# Altium PCB MD070B.PcbDoc (part 1 of 2) (continued)
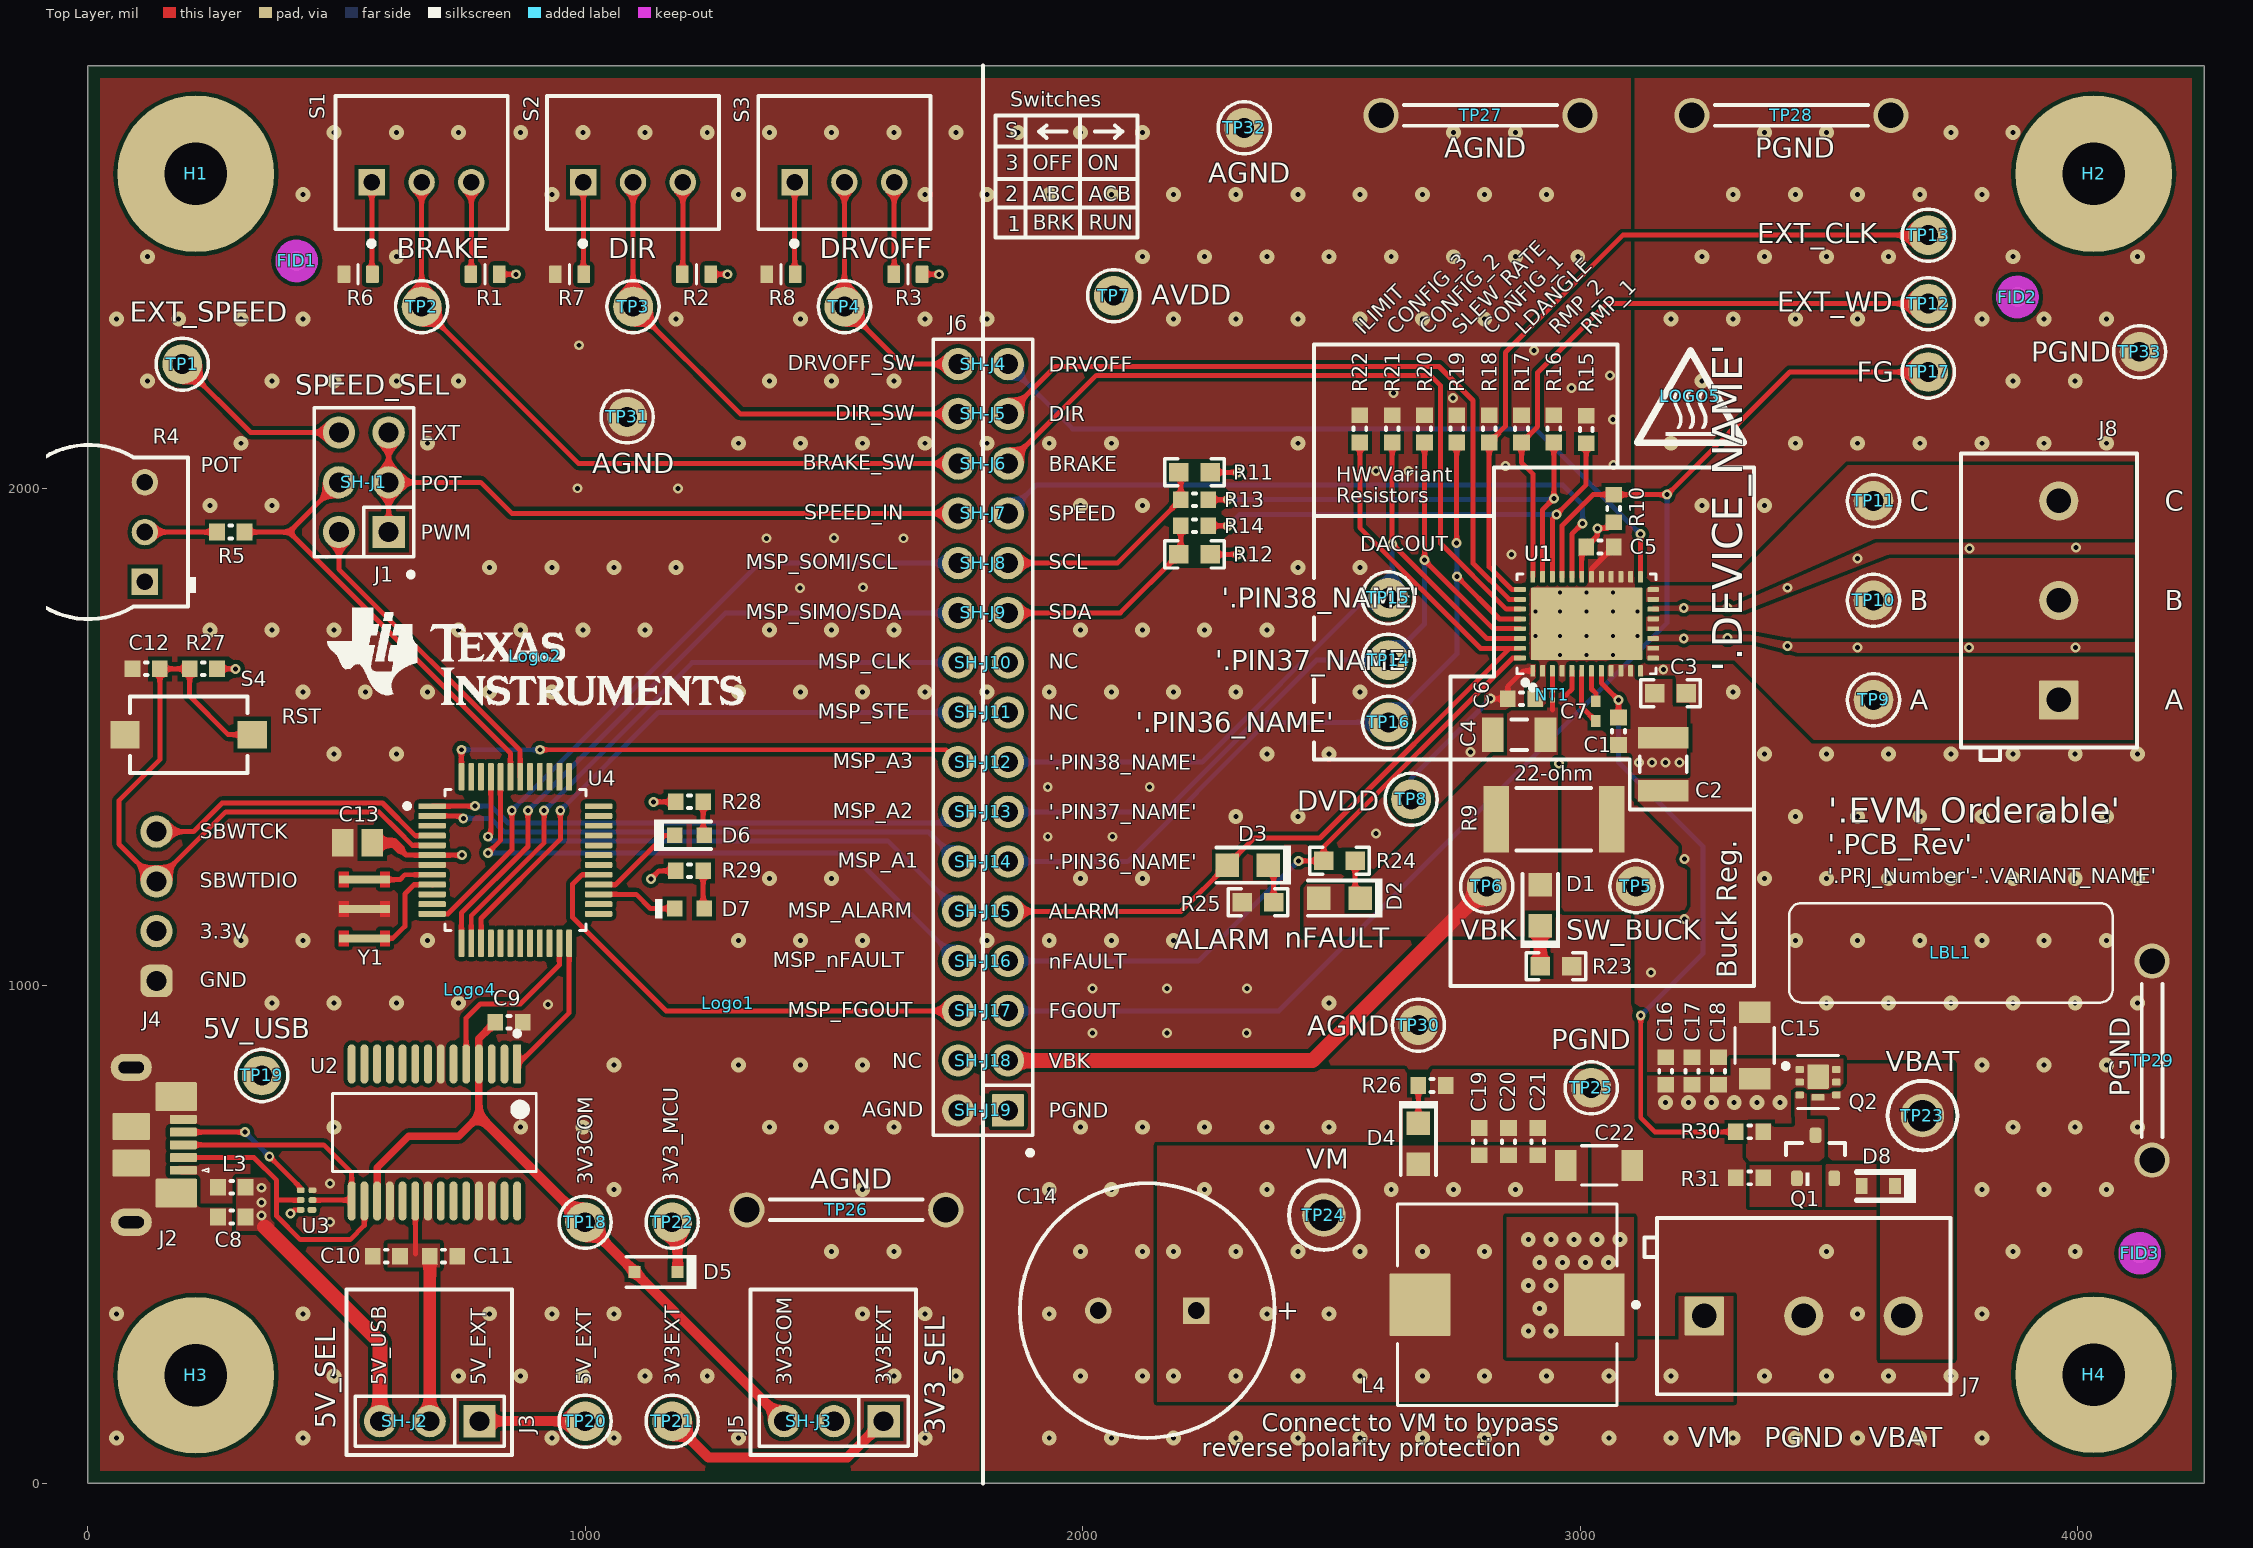
[diagram p0: Top Layer view]
## Footprints (in the part's own frame and the unit in brackets; to place one, negate y for a bottom-side part, rotate by r counter-clockwise, add the part's x,y. Pads: shape width x height; smd on the part's side, far side on the other; paste and mask are expansions set on the pad) (continued)
  rrect40% 0.25x0.6 smd paste+0 mask+0: 13(-1.75,-3.4) 14(-1.25,-3.4) 15(-0.75,-3.4) 16(-0.25,-3.4) 17(0.25,-3.4) 18(0.75,-3.4) 19(1.25,-3.4) 20(1.75,-3.4) 33(1.75,3.4) 34(1.25,3.4) 35(0.75,3.4) 36(0.25,3.4) 37(-0.25,3.4) 38(-0.75,3.4) 39(-1.25,3.4) 40(-1.75,3.4)
  rrect3% 3.7x5.7 smd paste-1000 mask+0: 41(0,0)
  silkscreen extent -3.37,-3.55 2.55,3.55, body extent -2.8,-3.8 2.8,3.8, height 0.25
SNT-100-BK-G [mil] "Samtec STEP model"
  round 1 on Mech3: 0(0,0)
  body extent -100,-50 100,50, height 344
SOD-323 [mm] "NXP recommended land pattern"
  rect 0.6x0.6 smd paste-0.05: 1(-1.1,0) 2(1.1,0)
  silkscreen extent -2.06,-0.86 1.53,0.86, body extent -1.3,-0.67 1.3,0.68, height 1.1
SOD-523F [mm] "COMCHIP"
  rect 0.6x0.8 smd paste-0.05: 1(-0.85,0) 2(0.85,0)
  silkscreen extent -1.92,-0.87 1.1,0.87, body extent -0.9,-0.5 0.9,0.5, height 0.85
SOT-23L [mm] "SOT23, 3-Leads, Body 2.9x1.3mm, Pitch 0.95mm, Lead Span 2.5mm, IPC High Density"
  rrect50% 0.8x0.6 smd: 1(-1.1,0.95) 2(-1.1,-0.95) 3(1.1,0)
  silkscreen extent -1.5,-1.5 0.7,1.5, body extent -1.16,-1.45 1.21,1.45, height 1
SW_434121025816 [mm] "SMD, 2-Leads, Body 6x3.9mm, Pitch 6.5mm"
  rect 1.5x1.4 smd: 1(-3.25,0) 2(3.25,0)
  silkscreen extent -3,-1.95 3,1.95, body extent -3.65,-1.95 3.65,1.95, height 2.5
SW_B12AP [mm] "NKK Switches"
  rect 1.35x1.35 hole 0.85 paste-2539.97: 1(-1,2.54)
  round 1.35 hole 0.85 paste-2539.97: 2(-1,0) 3(-1,-2.54)
  silkscreen extent -4.27,-4.4 3.4,4.4, body extent -3.4,-4.39 3.4,4.39, height 22.87
TI_Stacked_Overlay_Small [mil]
  silkscreen extent -418,-98 418,98
TSW-103-07-G-D [mm] "Samtec 100mil, 2x3, 230 mil above insulator"
  rect 1.65x1.65 hole 1.016: 1(-2.54,-1.27)
  round 1.65 hole 1.016: 2(-2.54,1.27) 3(0,-1.27) 4(0,1.27) 5(2.54,-1.27) 6(2.54,1.27)
  silkscreen extent -4.83,-2.54 3.81,2.54, body extent -3.81,-2.54 3.81,2.54, height 8.38
TSW-104-07-G-S [mm] "Samtec 100mil, 1x4, 230 mil above insulator"
  rrect50% 1.65x1.65 hole 1.016: 1(-3.81,0)
  round 1.65 hole 1.016: 2(-1.27,0) 3(1.27,0) 4(3.81,0)
  body extent -5.08,-1.27 5.08,1.27, height 8.38
TSW-116-07-G-D [mm] "Samtec 100mil, 2x16, 230 mil above insulator"
  rrect6% 1.65x1.65 hole 1.016: 1(-19.05,-1.27)
  round 1.65 hole 1.016: 2(-19.05,1.27) 3(-16.51,-1.27) 4(-16.51,1.27) 5(-13.97,-1.27) 6(-13.97,1.27) 7(-11.43,-1.27) 8(-11.43,1.27) 9(-8.89,-1.27) 10(-8.89,1.27) 11(-6.35,-1.27) 12(-6.35,1.27) 13(-3.81,-1.27) 14(-3.81,1.27) 15(-1.27,-1.27) 16(-1.27,1.27) 17(1.27,-1.27) 18(1.27,1.27) 19(3.81,-1.27) 20(3.81,1.27) 21(6.35,-1.27) 22(6.35,1.27) 23(8.89,-1.27) 24(8.89,1.27) 25(11.43,-1.27) 26(11.43,1.27) 27(13.97,-1.27) 28(13.97,1.27) 29(16.51,-1.27) 30(16.51,1.27) 31(19.05,-1.27) 32(19.05,1.27)
  silkscreen extent -21.34,-2.54 20.32,2.54, body extent -20.32,-2.54 20.32,2.54, height 8.38
WE-MAIA_3015 [mm] "SMD, 2-Leads, Body 3x3mm"
  rect 1.3x3.4 smd: 1(-1.05,0) 2(1.05,0)
  silkscreen extent -0.1,-1.6 0.1,1.6, body extent -1.6,-1.6 1.6,1.6, height 1.5
WEEE_Minimum [mil] "WEEElie bin"

## Part data
C1: library part CMP-0080104-1, "CAP, CERM, 1 µF, 16 V,+/- 10%, X7R, AEC-Q200 Grade 1, 0603", Cap_Case=0603, Manufacturer="Taiyo Yuden", Supplier Part Number 1=587-3305-1-ND, TempCo=X7R, Tolerance_%=10%, Value2=16V, ValueDisplayed=1µF, AEC Category=Q200, AEC Grade=1, AEC Qualified=Y, Cap_F=1µF, ComponentLink1Description="Datasheet link", ComponentLink1URL=https://www.yuden.co.jp/productdata/catalog/mlcc01_hq_e.pdf, CompType=Capacitor, MountType=SMT, PackageReference=0603, PartNumber=EMK107B7105KAHT, Polarized=N, RoHS=Y, SizeArea_mm2=1.28, SizeAreaWB_mm2=4.68, SizeX_mm=1.6, SizeY_mm=0.8, SizeZ_mm=1, Supplier 1=Digi-Key, Supplier 2=Newark, Supplier 3=Mouser, Supplier Part Number 2=68X1305, Supplier Part Number 3=963-EMK107B7105KAHT, TaMax_C=125°C, TaMin_C=-55°C, Technology=Ceramic, U/M=EA, VDC_V=16V
C2: library part CMP-0009229-2, "CAP, CERM, 10 uF, 63 V, +/- 10%, X7R, 1210", Cap_Case=1210, Manufacturer=MuRata, Supplier Part Number 1=490-9970-1-ND, TempCo=X7R, Tolerance_%=10%, Value1=Unknown, Value2=63V, ValueDisplayed=10uF, AEC Category=Q200, AEC Grade=N/A, AEC Qualified=N, Cap_F=10µF, ComponentLink1Description="Datasheet link", ComponentLink1URL=http://psearch.en.murata.com/capacitor/product/GRM32ER71J106KA12%23.pdf, CompType=Capacitor, LatestRevisionDate=2017-03-09, MountType=SMT, PackageReference=1210, PartNumber=GRM32ER71J106KA12L, Polarized=N, Published=2008-06-19, Publisher="Texas Instruments", RoHS=Y, SizeArea_mm2=8, SizeAreaWB_mm2=14.7, SizeX_mm=3.2, SizeY_mm=2.5, SizeZ_mm=2.7, Supplier 1=Digi-Key, Supplier 2=Mouser, Supplier Part Number 2=81-GRM32ER71J106KA2L, TaMax_C=125°C, TaMin_C=-55°C, Technology=Ceramic, U/M=EA, VDC_V=63V
C3: library part CMP-0007469-4, "CAP, CERM, 0.1 uF, 100 V, +/- 10%, X7R, 0603", Cap_Case=0603, Manufacturer=MuRata, Supplier Part Number 1=490-3285-1-ND, TempCo=X7R, Tolerance_%=10%, Value1=Unknown, Value2=100V, ValueDisplayed=0.1uF, AEC Category=Q200, AEC Qualified=?, Cap_F=100nF, ComponentLink1Description="Datasheet link", ComponentLink1URL=http://search.murata.co.jp/Ceramy/PnsearchViewAction.do?HnOFG=ON&HnNFG=ON&SEL_CNT=50&sLang=en&sKey=GRM188R72A104KA35D&x=9&y=9&search=startwith, CompType=Capacitor, LatestRevisionDate=2017-03-09, MountType=SMT, PackageReference=0603, PartNumber=GRM188R72A104KA35D, Polarized=N, Published=2008-06-19, Publisher="Texas Instruments", RoHS=Y, SizeArea_mm2=1.28, SizeAreaWB_mm2=4.68, SizeX_mm=1.6, SizeY_mm=0.8, SizeZ_mm=1, Supplier 1=Digi-Key, Supplier 2=Mouser, Supplier 3=Farnell, Supplier Part Number 2=81-GRM188R72A104KA35, Supplier Part Number 3=1828921, TaMax_C=125°C, TaMin_C=-55°C, Technology=Ceramic, U/M=EA, VDC_V=100V
C4: library part CMP-0008959-2, "CAP, CERM, 22 uF, 10 V, +/- 10%, X7R, 1206", Cap_Case=1206, Manufacturer=MuRata, Supplier Part Number 1=490-5309-1-ND, TempCo=X7R, Tolerance_%=10%, Value1=Unknown, Value2=10V, ValueDisplayed=22uF, AEC Category=Q200, AEC Qualified=?, Cap_F=22µF, ComponentLink1Description="Datasheet link", ComponentLink1URL=http://search.murata.co.jp/Ceramy/PnsearchViewAction.do?HnOFG=ON&HnNFG=ON&SEL_CNT=50&sLang=en&sKey=GRM31CR71A226KE15L&x=9&y=9&search=startwith, CompType=Capacitor, LatestRevisionDate=2017-03-09, MountType=SMT, PackageReference=1206, PartNumber=GRM31CR71A226KE15L, Polarized=N, Published=2008-06-19, Publisher="Texas Instruments", RoHS=Y, SizeArea_mm2=5.12, SizeAreaWB_mm2=10.92, SizeX_mm=3.2, SizeY_mm=1.6, SizeZ_mm=1.8, Supplier 1=Digi-Key, Supplier 2=Mouser, Supplier 3=Farnell, Supplier Part Number 2=81-GRM31CR71A226K15L, Supplier Part Number 3=1797016, TaMax_C=125°C, TaMin_C=-55°C, Technology=Ceramic, U/M=EA, VDC_V=10V
C5 C6: library part CMP-0086190-1, "CAP, CERM, 1 µF, 6.3 V,+/- 10%, X7R, AEC-Q200 Grade 1, 0603", Cap_Case=0603, Manufacturer=Kemet, TempCo=X7R, Tolerance_%=10%, Value2=6.3V, ValueDisplayed=1µF, AEC Category=Q200, AEC Grade=1, AEC Qualified=Y, Cap_F=1µF, ComponentLink1Description="Datasheet link", ComponentLink1URL=https://content.kemet.com/datasheets/KEM_C1023_X7R_AUTO_SMD.pdf, CompType=Capacitor, MountType=SMT, PackageReference=0603, PartNumber=C0603C105K9RACAUTO, Polarized=N, RoHS=Y, SizeArea_mm2=1.28, SizeAreaWB_mm2=4.68, SizeX_mm=1.6, SizeY_mm=0.8, SizeZ_mm=1, TaMax_C=125°C, TaMin_C=-55°C, Technology=Ceramic, U/M=EA, VDC_V=6.3V
C7: library part CMP-0006298-2, "CAP, CERM, 0.047 uF, 50 V, +/- 10%, X7R, 0402", Cap_Case=0402, Manufacturer=TDK, Supplier Part Number 1=445-7336-1-ND, TempCo=X7R, Tolerance_%=10%, Value1="0.06407 ohm", Value2=50V, ValueDisplayed=0.047uF, AEC Category=Q200, AEC Grade=N/A, AEC Qualified=N, Cap_F=47nF, ComponentLink1Description="Datasheet link", ComponentLink1URL=https://product.tdk.com/en/search/capacitor/ceramic/mlcc/info?part_no=C1005X7R1H473K050BB, CompType=Capacitor, ESR_Ohm=0.06407, IRMS_A=646.122mA, LatestRevisionDate=2017-03-09, MountType=SMT, PackageReference=0402, PartNumber=C1005X7R1H473K050BB, Polarized=N, Published=2008-06-19, Publisher="Texas Instruments", RoHS=Y, SizeArea_mm2=0.5, SizeAreaWB_mm2=3, SizeX_mm=1, SizeY_mm=0.5, SizeZ_mm=0.6, Supplier 1=Digi-Key, Supplier 2=Newark, Supplier 3=Mouser, Supplier Part Number 2=04X3233, Supplier Part Number 3=810-C1005X7R1H473K, TaMax_C=125°C, TaMin_C=-55°C, Technology=Ceramic, U/M=EA, VDC_V=50V
C8 C9 C11: library part CMP-0006815-4, "CAP, CERM, 0.1 uF, 10 V, +/- 10%, X7R, 0603", Cap_Case=0603, Manufacturer=AVX, Supplier Part Number 1=478-7939-1-ND, TempCo=X7R, Tolerance_%=10%, Value1=Unknown, Value2=10V, ValueDisplayed=0.1uF, AEC Category=Q200, AEC Grade=N/A, AEC Qualified=N, Cap_F=100nF, ComponentLink1Description="Datasheet link", ComponentLink1URL=http://datasheets.avx.com/X7RDielectric.pdf, CompType=Capacitor, LatestRevisionDate=2017-03-09, MountType=SMT, PackageReference=0603, PartNumber=0603ZC104KAT2A, Polarized=N, Published=2008-06-19, Publisher="Texas Instruments", RoHS=Y, SizeArea_mm2=1.28, SizeAreaWB_mm2=4.68, SizeX_mm=1.6, SizeY_mm=0.8, SizeZ_mm=1, Supplier 1=Digi-Key, Supplier 2=Newark, Supplier 3=Mouser, Supplier Part Number 2=94W2856, Supplier Part Number 3=581-0603ZC104K, TaMax_C=125°C, TaMin_C=-55°C, Technology=Ceramic, U/M=EA, VDC_V=10V
C10: library part CMP-0007498-4, "CAP, CERM, 4.7 uF, 10 V, +/- 20%, X7R, 0603", Cap_Case=0603, Manufacturer=MuRata, TempCo=X7R, Tolerance_%=20%, Value1=Unknown, Value2=10V, ValueDisplayed=4.7uF, AEC Category=Q200, AEC Grade=N/A, AEC Qualified=N, Cap_F=4.7µF, ComponentLink1Description="Datasheet link", ComponentLink1URL=http://search.murata.co.jp/Ceramy/image/img/A01X/G101/ENG/GRM188Z71A475ME15-01.pdf, CompType=Capacitor, LatestRevisionDate=2017-03-09, MountType=SMT, PackageReference=0603, PartNumber=GRM188Z71A475ME15D, Polarized=N, Published=2008-06-19, Publisher="Texas Instruments", RoHS=Y, SizeArea_mm2=1.28, SizeAreaWB_mm2=4.68, SizeX_mm=1.6, SizeY_mm=0.8, SizeZ_mm=1, Supplier 1=Digi-Key, Supplier 2=Newark, Supplier 3=Mouser, Supplier Part Number 3=81-GRM188Z71A475ME5D, TaMax_C=125°C, TaMin_C=-55°C, Technology=Ceramic, U/M=EA, VDC_V=10V
C12: library part CMP-0006826-4, "CAP, CERM, 1000 pF, 16 V, +/- 10%, X7R, 0603", Cap_Case=0603, Manufacturer="Wurth Elektronik", Supplier Part Number 1=710-885012206034, TempCo=X7R, Tolerance_%=10%, Value1=Unknown, Value2=16V, ValueDisplayed=1000pF, AEC Category=Q200, AEC Grade=N/A, AEC Qualified=N, Cap_F=1nF, ComponentLink1Description="Datasheet link", ComponentLink1URL=http://katalog.we-online.de/pbs/datasheet/885012206034.pdf, CompType=Capacitor, LatestRevisionDate=2017-03-09, MountType=SMT, PackageReference=0603, PartNumber=885012206034, Polarized=N, Published=2008-06-19, Publisher="Texas Instruments", RoHS=Y, SizeArea_mm2=1.28, SizeAreaWB_mm2=4.68, SizeX_mm=1.6, SizeY_mm=0.8, SizeZ_mm=1, Supplier 1=Mouser, TaMax_C=125°C, TaMin_C=-55°C, Technology=Ceramic, U/M=EA, VDC_V=16V
C13: library part CMP-0007696-2, "CAP, CERM, 1 uF, 50 V, +/- 10%, X7R, 0805", Cap_Case=0805, Manufacturer="Wurth Elektronik", Supplier Part Number 1=710-885012207103, TempCo=X7R, Tolerance_%=10%, Value1=Unknown, Value2=50V, ValueDisplayed=1uF, AEC Category=Q200, AEC Grade=N/A, AEC Qualified=N, Cap_F=1µF, ComponentLink1Description="Datasheet link", ComponentLink1URL=http://katalog.we-online.de/pbs/datasheet/885012207103.pdf, CompType=Capacitor, LatestRevisionDate=2017-03-09, MountType=SMT, PackageReference=0805, PartNumber=885012207103, Polarized=N, Published=2008-06-19, Publisher="Texas Instruments", RoHS=Y, SizeArea_mm2=2.5, SizeAreaWB_mm2=6.75, SizeX_mm=2, SizeY_mm=1.25, SizeZ_mm=1.45, Supplier 1=Mouser, TaMax_C=125°C, TaMin_C=-55°C, Technology=Ceramic, U/M=EA, VDC_V=50V
C14: library part CMP-0009912-2, "CAP, AL, 330 uF, 63 V, +/- 20%, AEC-Q200 Grade 2, TH", Cap_Case=12.5x20mm, Manufacturer=Chemi-Con, Supplier Part Number 1=565-2043-ND, Tolerance_%=20%, Value1=Unknown, Value2=63V, ValueDisplayed=330uF, AEC Category=Q200, AEC Grade=2, AEC Qualified=Y, Cap_F=330µF, ComponentLink1Description="Datasheet link", ComponentLink1URL=http://www.chemi-con.co.jp/cgi-bin/CAT_DB/SEARCH/cat_db_al.cgi?e=e&j=p&pdfname=lxz, CompType=Capacitor, IRMS_A=1.29A, LatestRevisionDate=2017-03-09, MountType=TH, PackageReference=D12.5xL20mm, PartNumber=ELXZ630ELL331MK20S, Polarized=Y, Publisher="Texas Instruments", RoHS=Y, Series=LXZ, SizeArea_mm2=156.25, SizeAreaWB_mm2=210.25, SizeX_mm=12.5, SizeY_mm=12.5, SizeZ_mm=21.5, Supplier 1=Digi-Key, Supplier 2=Mouser, Supplier Part Number 2=661-ELXZ630ELL331MK2, TaMax_C=105°C, TaMin_C=-55°C, Technology=AL, U/M=EA, VDC_V=63V
C15 C22: library part CMP-0008801-2, "CAP, CERM, 1 uF, 100 V, +/- 10%, X7R, 1206", Cap_Case=1206, Manufacturer=Samsung, Supplier Part Number 1=1276-1838-1-ND, TempCo=X7R, Tolerance_%=10%, Value1=Unknown, Value2=100V, ValueDisplayed=1uF, AEC Category=Q200, AEC Grade=N/A, AEC Qualified=N, Cap_F=1µF, ComponentLink1Description="Datasheet link", ComponentLink1URL=http://www.samsungsem.com/kr/front/downloadcms.do?path=/kr/support/product-search/mlcc/__icsFiles/afieldfile/2014/11/05&fileName=C_CL31B105KCHNNNE.pdf, CompType=Capacitor, LatestRevisionDate=2017-03-09, MountType=SMT, PackageReference=1206, PartNumber=CL31B105KCHNNNE, Polarized=N, Published=2008-06-19, Publisher="Texas Instruments", RoHS=Y, SizeArea_mm2=5.12, SizeAreaWB_mm2=10.92, SizeX_mm=3.2, SizeY_mm=1.6, SizeZ_mm=1.8, Supplier 1=Digi-Key, TaMax_C=125°C, TaMin_C=-55°C, Technology=Ceramic, U/M=EA, VDC_V=100V
C16 C21: library part CMP-0007099-4, "CAP, CERM, 0.1 uF, 100 V, +/- 10%, X7S, AEC-Q200 Grade 1, 0603", Cap_Case=0603, Manufacturer=TDK, Supplier Part Number 1=445-6938-1-ND, TempCo=X7S, Tolerance_%=10%, Value1="0.04959 ohm", Value2=100V, ValueDisplayed=0.1uF, AEC Category=Q200, AEC Grade=1, AEC Qualified=Y, Cap_F=100nF, ComponentLink1Description="Datasheet link", ComponentLink1URL=https://product.tdk.com/en/search/capacitor/ceramic/mlcc/info?part_no=CGA3E3X7S2A104K080AB, CompType=Capacitor, ESR_Ohm=0.04959, IRMS_A=751.618mA, LatestRevisionDate=2017-03-09, MountType=SMT, PackageReference=0603, PartNumber=CGA3E3X7S2A104K080AB, Polarized=N, Published=2008-06-19, Publisher="Texas Instruments", RoHS=Y, SizeArea_mm2=1.28, SizeAreaWB_mm2=4.68, SizeX_mm=1.6, SizeY_mm=0.8, SizeZ_mm=1, Supplier 1=Digi-Key, Supplier 2=Newark, Supplier 3=Mouser, Supplier Part Number 2=04X3163, Supplier Part Number 3=810-CGA3E3X7S2A104K, TaMax_C=125°C, TaMin_C=-55°C, Technology=Ceramic, U/M=EA, VDC_V=100V
C17 C20: library part CMP-0007082-4, "CAP, CERM, 0.01 uF, 100 V, +/- 10%, X7R, AEC-Q200 Grade 1, 0603", Cap_Case=0603, Manufacturer=TDK, Supplier Part Number 1=445-5812-1-ND, TempCo=X7R, Tolerance_%=10%, Value1="0.235428 ohm", Value2=100V, ValueDisplayed=0.01uF, AEC Category=Q200, AEC Grade=1, AEC Qualified=Y, Cap_F=10nF, ComponentLink1Description="Datasheet link", ComponentLink1URL=https://product.tdk.com/en/search/capacitor/ceramic/mlcc/info?part_no=CGA3E2X7R2A103K080AA, CompType=Capacitor, ESR_Ohm=0.235428, IRMS_A=396.995mA, LatestRevisionDate=2017-03-09, MountType=SMT, PackageReference=0603, PartNumber=CGA3E2X7R2A103K080AA, Polarized=N, Published=2008-06-19, Publisher="Texas Instruments", RoHS=Y, SizeArea_mm2=1.28, SizeAreaWB_mm2=4.68, SizeX_mm=1.6, SizeY_mm=0.8, SizeZ_mm=1, Supplier 1=Digi-Key, Supplier 2=Mouser, Supplier Part Number 2=810-CGA3E2X7R2A103K080AA, TaMax_C=125°C, TaMin_C=-55°C, Technology=Ceramic, U/M=EA, VDC_V=100V
C18 C19: library part CMP-0007081-4, "CAP, CERM, 1000 pF, 100 V, +/- 10%, X7R, AEC-Q200 Grade 1, 0603", Cap_Case=0603, Manufacturer=TDK, Supplier Part Number 1=445-5806-1-ND, TempCo=X7R, Tolerance_%=10%, Value1="1.97137 ohm", Value2=100V, ValueDisplayed=1000pF, AEC Category=Q200, AEC Grade=1, AEC Qualified=Y, Cap_F=1nF, ComponentLink1Description="Datasheet link", ComponentLink1URL=https://product.tdk.com/en/search/capacitor/ceramic/mlcc/info?part_no=CGA3E2X7R2A102K080AA, CompType=Capacitor, ESR_Ohm=1.97137, IRMS_A=305.705mA, LatestRevisionDate=2017-03-09, MountType=SMT, PackageReference=0603, PartNumber=CGA3E2X7R2A102K080AA, Polarized=N, Published=2008-06-19, Publisher="Texas Instruments", RoHS=Y, SizeArea_mm2=1.28, SizeAreaWB_mm2=4.68, SizeX_mm=1.6, SizeY_mm=0.8, SizeZ_mm=1, Supplier 1=Digi-Key, Supplier 2=Mouser, Supplier Part Number 2=810-CGA3E2X7R2A102K080AA, TaMax_C=125°C, TaMin_C=-55°C, Technology=Ceramic, U/M=EA, VDC_V=100V
D1 D4: library part CMP-0002888-2, "LED, Green, SMD", Color=Green, Manufacturer=Lite-On, Value1=W, Value2=2V, ComponentLink1Description="Datasheet link", ComponentLink1URL=http://optoelectronics.liteon.com/upload/download/DS22-2000-073/S_110_LTST-C170KGKT.pdf, CompType=LED, Io_A=20mA, MountType=SMT, PackageReference=LED_0805, PartNumber=LTST-C170KGKT, RoHS=Y, Type=AlInGaP, Vf_V=2V
D2 D3: library part CMP-0002829-3, "LED, Red, SMD", Color=red, Manufacturer=Lite-On, Value1=W, Value2=2V, ComponentLink1Description="Datasheet link", ComponentLink1URL=http://optoelectronics.liteon.com/upload/download/DS-22-99-0150/P_100_LTST-C170KRKT.pdf, CompType=LED, Io_A=20mA, MountType=SMT, PackageReference="Red 0805 LED", PartNumber=LTST-C170KRKT, RoHS=Y, SizeArea_mm2=2.5, SizeAreaWB_mm2=6.75, SizeX_mm=2, SizeY_mm=1.25, SizeZ_mm=1.2, Type=AlInGaP, Vf_V=2V
D5: library part CMP-0028882-2, "Diode, Schottky, 40 V, 0.75 A, AEC-Q101, SOD-323", Manufacturer="Infineon Technologies", Value1=0.75A, Value2=0.74V, AEC Category=Q101, AEC Qualified=Y, ComponentLink1Description="Datasheet link", ComponentLink1URL=http://www.infineon.com/dgdl/bat165series.pdf?folderId=db3a304313d846880113def5812204a1&fileId=db3a304313d846880113df01f69804d6, CompType=Diode, Green_EU RoHS=Incomplete, Green_EU RoHS-2=Incomplete, Green_Lifecycle="Not Set", Green_REACh=Incomplete, Io_A=750mA, MountType=SMT, PackageReference=SOD-323, PartNumber=BAT165E6327HTSA1, RoHS=Y, SizeArea_mm2=3.645, SizeAreaWB_mm2=8.695, SizeX_mm=2.7, SizeY_mm=1.35, SizeZ_mm=1, Tjmax_C=150°C, Type=Schottky, Vf_V=740mV, Vr_V=40V
D6: library part CMP-0078131-2, "LED, Red, SMD", Color=Red, Manufacturer=Lite-On, Power_TotalModule=62.5mW, Value1=.0625W, Value2=2V, Angle=130, ComponentLink1Description="Datasheet link", ComponentLink1URL=http://optoelectronics.liteon.com/upload/download/DS-22-99-0151/LTST-C190KRKT.pdf, CompType=LED, Green_EU RoHS=Incomplete, Green_EU RoHS-2=Incomplete, Green_Lifecycle="Not Set", Green_REACh=Incomplete, Io_A=20mA, Ir_A=10µA, MountType=SMT, PackageReference="Red LED, 1.6x0.8x0.8mm", PartNumber=LTST-C190KRKT, RoHS=Y, Type=AlInGaP, Vf_V=2V, Vr_V=5V
D7: library part CMP-0002840-2, "LED, Green, SMD", Color=green, Manufacturer=Lite-On, Value1=W, Value2=2V, ComponentLink1Description="Datasheet link", ComponentLink1URL=http://optoelectronics.liteon.com/en-us/api/DwonloadFileHandler.ashx?txtSpecNo=DS22-2000-074&txtPartNo=LTST-C190KGKT, CompType=LED, Io_A=30mA, MountType=SMT, PackageReference=1.6x0.8x0.8mm, PartNumber=LTST-C190KGKT, RoHS=Y, Tjmax_C=85°C, Type=AlInGaP, Vf_V=2V
D8: library part CMP-0076943-3, "Diode, Switching, 90 V, 0.1 A, SOD-523F", Manufacturer="Comchip Technology", Value1=0.1A, Value2=1V, AEC Category=Q101, AEC Qualified=?, ComponentLink1Description="Datasheet link", ComponentLink1URL=http://www.comchiptech.com/cms/UserFiles/CDSU101A-RevA371622.pdf, CompType=Diode, Green_EU RoHS=Incomplete, Green_EU RoHS-2=Incomplete, Green_Lifecycle="Not Set", Green_REACh=Incomplete, Io_A=100mA, MFG_Status=TI_Obsolete, MountType=SMT, PackageReference=SOD-523F, PartNumber=CDSU101A, RoHS=Y, SizeArea_mm2=1.53, SizeAreaWB_mm2=5.13, SizeX_mm=1.7, SizeY_mm=0.9, SizeZ_mm=0.85, Tjmax_C=125°C, Type=Switching, Vf_V=1V, Vr_V=90V
FID1 FID2 FID3: library part CMP-0077181-1, "Fiducial mark.  There is nothing to buy or mount.", Manufacturer=N/A, ClassName=FiducialMark, CompType=Fiducial, MountType=N/A, PackageReference=N/A, PartNumber=N/A
H1 H2 H3 H4: library part CMP-0003617-1, "Machine Screw, Round, #4-40 x 1/4, Nylon, Philips panhead", Manufacturer="B&F Fastener Supply", Supplier Part Number 1=H542-ND, ClassName="Mounting Holes", ComponentLink1Description="Datasheet Link", ComponentLink1URL=http://www.fasnetdirect.com/refguide/Nylpanms.pdf, CompType=Hardware, Key="NY PMS 440 0025 PH", LatestRevisionDate=2017-03-09, MountType=N/A, PackageReference=Screw, PartNumber="NY PMS 440 0025 PH", Publisher="Texas Instruments", RoHS=Y, Supplier 1=Digi-Key
H5 H6 H7 H8: library part CMP-0003610-1, "Standoff, Hex, 0.5\"L #4-40 Nylon", Manufacturer=Keystone, PartNumber=1902C, Supplier Part Number 1=36-1902C-ND, ComponentLink1Description="Datasheet Link", ComponentLink1URL=http://www.keyelco.com/pdfs/M55-prod31.pdf, CompType=Hardware, Key=1902C, LatestRevisionDate=2017-03-09, MountType=N/A, PackageReference=Standoff, Publisher="Texas Instruments", RoHS=Y, Supplier 1=Digi-Key
J1: library part CMP-0075406-2, "Header, 100mil, 3x2, Gold, TH", Color=Black, Current_A=6.3A, Manufacturer=Samtec, PartNumber=TSW-103-07-G-D, Supplier Part Number 1=SAM1028-03-ND, Voltage_V=550V, Cert_CSA=Y, Cert_CULUS=N, Cert_UL=Y, Cert_VDE=N, ClassName=Header, ComponentLink1Description="Datasheet URL", ComponentLink1URL=http://samtec.com/ftppub/pdf/TSW_TH.PDF, CompType=Header, ContactFinish=Gold, Gender=Male, Green_EU RoHS=Passed, Green_EU RoHS-2=Passed, Green_Lifecycle=Active, Green_REACh=Passed, MountType=TH, Orientation=Vertical, PackageReference="3x2 Header", PinCount=6, Pitch_mm=2.54, RoHS=Y, Row_Count=2, RowSpacing_mm=2.54, Shrouded=N, Supplier 1=Digi-Key
J2: library part CMP-0055311-1, "Receptacle, USB 2.0, Micro B, 5 Position, R/A, SMT", Color=Black, Current_A=1.8A, Manufacturer=Molex, Supplier Part Number 1=WM11263CT-ND, Voltage_V=30V, Cert_UL=Y, CNHeader=FALSE, ComponentLink1Description="Datasheet URL", ComponentLink1URL=http://www.molex.com/pdm_docs/sd/1051640001_sd.pdf, CompType=USB, ContactFinish=Gold, CT=TRUE, Gender=Female, LatestRevisionDate=26/05/2017, MountType=SMT, Orientation=R/A, PackageReference="Receptacle, USB 2.0, Micro B, 5 Pos, 0.65mm Pitch, R/A, SMT", PartNumber=1051640001, PinCount=5, Pitch_mm=0.65, Publisher="Texas Instruments", RoHS=Y, Supplier 1=Digi-Key, Supplier 2=Newark, Supplier 3=Mouser, Supplier Part Number 2=99Y3224, Supplier Part Number 3=538-105164-0001
J3 J5: library part CMP-0002334-1, "Header, 100mil, 3x1, Gold, TH", Manufacturer="Sullins Connector Solutions", PartNumber=PBC03SAAN, Supplier Part Number 1=S1011E-03-ND, ClassName=Header, CNHeader=TRUE, ComponentLink1Description="Datasheet URL", ComponentLink1URL=http://www.sullinscorp.com/catalogs/77_Page78-79_HEADER_.100_2.54mm_MALE_BREAKAWAY.pdf, CompType=Header, CT=FALSE, Green_EU RoHS=Incomplete, Green_EU RoHS-2=Incomplete, Green_Lifecycle="Not Set", Green_REACh=Incomplete, LatestRevisionDate=26/05/2017, MountType=TH, PackageReference=PBC03SAAN, Publisher="Texas Instruments", RoHS=Y, Supplier 1=Digi-Key
J4: library part CMP-0075409-2, "Header, 100mil, 4x1, Gold, TH", Color=Black, Current_A=6.3A, Manufacturer=Samtec, Supplier Part Number 1=SAM1029-04-ND, Voltage_V=550V, Cert_CSA=Y, Cert_CULUS=N, Cert_UL=Y, Cert_VDE=N, ClassName=Header, ComponentLink1Description="Datasheet URL", ComponentLink1URL=http://samtec.com/ftppub/pdf/TSW_TH.PDF, CompType=Header, ContactFinish=Gold, Gender=Male, Green_EU RoHS=Passed, Green_EU RoHS-2=Passed, Green_Lifecycle=Active, Green_REACh=Passed, MountType=TH, Orientation=Vertical, PackageReference="4x1 Header", PartNumber=TSW-104-07-G-S, PinCount=4, Pitch_mm=2.54, RoHS=Y, Row_Count=1, Shrouded=N, Supplier 1=Digi-Key
J6: library part CMP-0075429-1, "Header, 100mil, 16x2, Gold, TH", Color=Black, Current_A=6.3A, Manufacturer=Samtec, Supplier Part Number 1=SAM1028-16-ND, Voltage_V=550V, Cert_CSA=Y, Cert_CULUS=N, Cert_UL=Y, Cert_VDE=N, ClassName=Header, CNHeader=True, ComponentLink1Description="Datasheet URL", ComponentLink1URL=http://samtec.com/ftppub/pdf/TSW_TH.PDF, CompType=Header, ContactFinish=Gold, CT=False, Gender=Male, Green_EU RoHS=Passed, Green_EU RoHS-2=Passed, Green_Lifecycle=Active, Green_REACh=Passed, LatestRevisionDate=2017-07-12, MountType=TH, Orientation=Vertical, PackageReference="16x2 Header", PartNumber=TSW-116-07-G-D, PinCount=32, Pitch_mm=2.54, Publisher="Texas Instruments", RoHS=Y, Row_Count=2, RowSpacing_mm=2.54, Shrouded=N, Supplier 1=Digi-Key
J7 J8: library part CMP-0074911-1, "Terminal Block, 5.08 mm, 3x1, Brass, TH", Color=Blue, Current_A=15A, Manufacturer="On-Shore Technology", PartNumber=ED120/3DS, Supplier Part Number 1=ED1610-ND, Voltage_V=300V, Cert_CULUS=Y, Cert_VDE=Y, CNHeader=False, ComponentLink1Description="Datasheet URL", ComponentLink1URL=http://www.on-shore.com/sites/default/files/manuals/ed120ds.pdf, CompType="Terminal Block", ContactFinish=Brass, CT=True, Gender=Female, Green_EU RoHS=Incomplete, Green_EU RoHS-2=Incomplete, Green_Lifecycle="Not Set", Green_REACh=Incomplete, LatestRevisionDate=2017-07-12, MountType=TH, Orientation=Vertical, PackageReference="3x1 5.08 mm Terminal Block", PinCount=3, Pitch_mm=5.08, Publisher="Texas Instruments", RoHS=Y, Row_Count=1, Shrouded=N, Supplier 1=Digi-Key
L1: library part CMP-0064683-2, "Inductor, Shielded, Powdered Iron, 47 uH, 0.39 A, 2.3 ohm, AEC-Q200 Grade 1, SMD", Manufacturer="Wurth Elektronik", Supplier Part Number 1=732-6947-1-ND, Value1="2.3 ohm", Value2=0.39A, ValueDisplayed=47uH, AEC Category=Q200, AEC Grade=1, AEC Qualified=Y, ComponentLink1Description="Datasheet link", ComponentLink1URL=http://katalog.we-online.de/pbs/datasheet/78438335470.pdf, CompType=Inductor, DCR_ohm=2.3, Imax_A=390mA, Ind_H=47µH, Irms="0.39A @ 40C rise", Isat="1.18A @ 20% inductance drop", LatestRevisionDate=2017-06-02, Material="Powdered Iron", MountType=SMT, PackageReference="SMD, 2-Leads, Body 3x3mm", PartNumber=78438335470, Published=2008-06-26, Publisher="Texas Instruments", RoHS=Y, SizeArea_mm2=9, SizeAreaWB_mm2=16, SizeX_mm=3, SizeY_mm=3, SizeZ_mm=1.5, Supplier 1=Digi-Key, Technology=Shielded
L2: library part CMP-0064681-2, "Inductor, Shielded, Powdered Iron, 22 uH, 0.6 A, 1.04 ohm, AEC-Q200 Grade 1, SMD", Manufacturer="Wurth Elektronik", Supplier Part Number 1=732-6945-1-ND, Value1="1.04 ohm", Value2=0.6A, ValueDisplayed=22uH, AEC Category=Q200, AEC Grade=1, AEC Qualified=Y, ComponentLink1Description="Datasheet link", ComponentLink1URL=http://katalog.we-online.de/pbs/datasheet/78438335220.pdf, CompType=Inductor, DCR_ohm=1.04, Imax_A=600mA, Ind_H=22µH, Irms="0.6A @ 40C rise", Isat="1.6A @ 20% inductance drop", LatestRevisionDate=2017-06-02, Material="Powdered Iron", MountType=SMT, PackageReference="SMD, 2-Leads, Body 3x3mm", PartNumber=78438335220, Published=2008-06-26, Publisher="Texas Instruments", RoHS=Y, SizeArea_mm2=9, SizeAreaWB_mm2=16, SizeX_mm=3, SizeY_mm=3, SizeZ_mm=1.5, Supplier 1=Digi-Key, Technology=Shielded
L3: library part CMP-0084877-1, "Inductor, Ferrite Bead, Ferrite, 3 A, 120 ohm, AEC-Q200 Grade 1, SMD", Manufacturer=MuRata, Value1="120 ohm", Value2=3A, AEC Category=Q200, AEC Grade=1, AEC Qualified=Y, ComponentLink1Description="Datasheet link", ComponentLink1URL=https://www.murata.com/en-us/products/productdata/8796750610462/QNFA9122.pdf, CompType=Inductor, DCR_ohm="120 ohm", Imax_A=3A, Material=Ferrite, MountType=SMT, PackageReference=0603, PartNumber=BLM18SG121TZ1D, RoHS=Y, SizeArea_mm2=1.28, SizeAreaWB_mm2=4.68, SizeX_mm=1.6, SizeY_mm=0.8, SizeZ_mm=1, Technology="Ferrite Bead"